# KiCad board panel.kicad_pcb
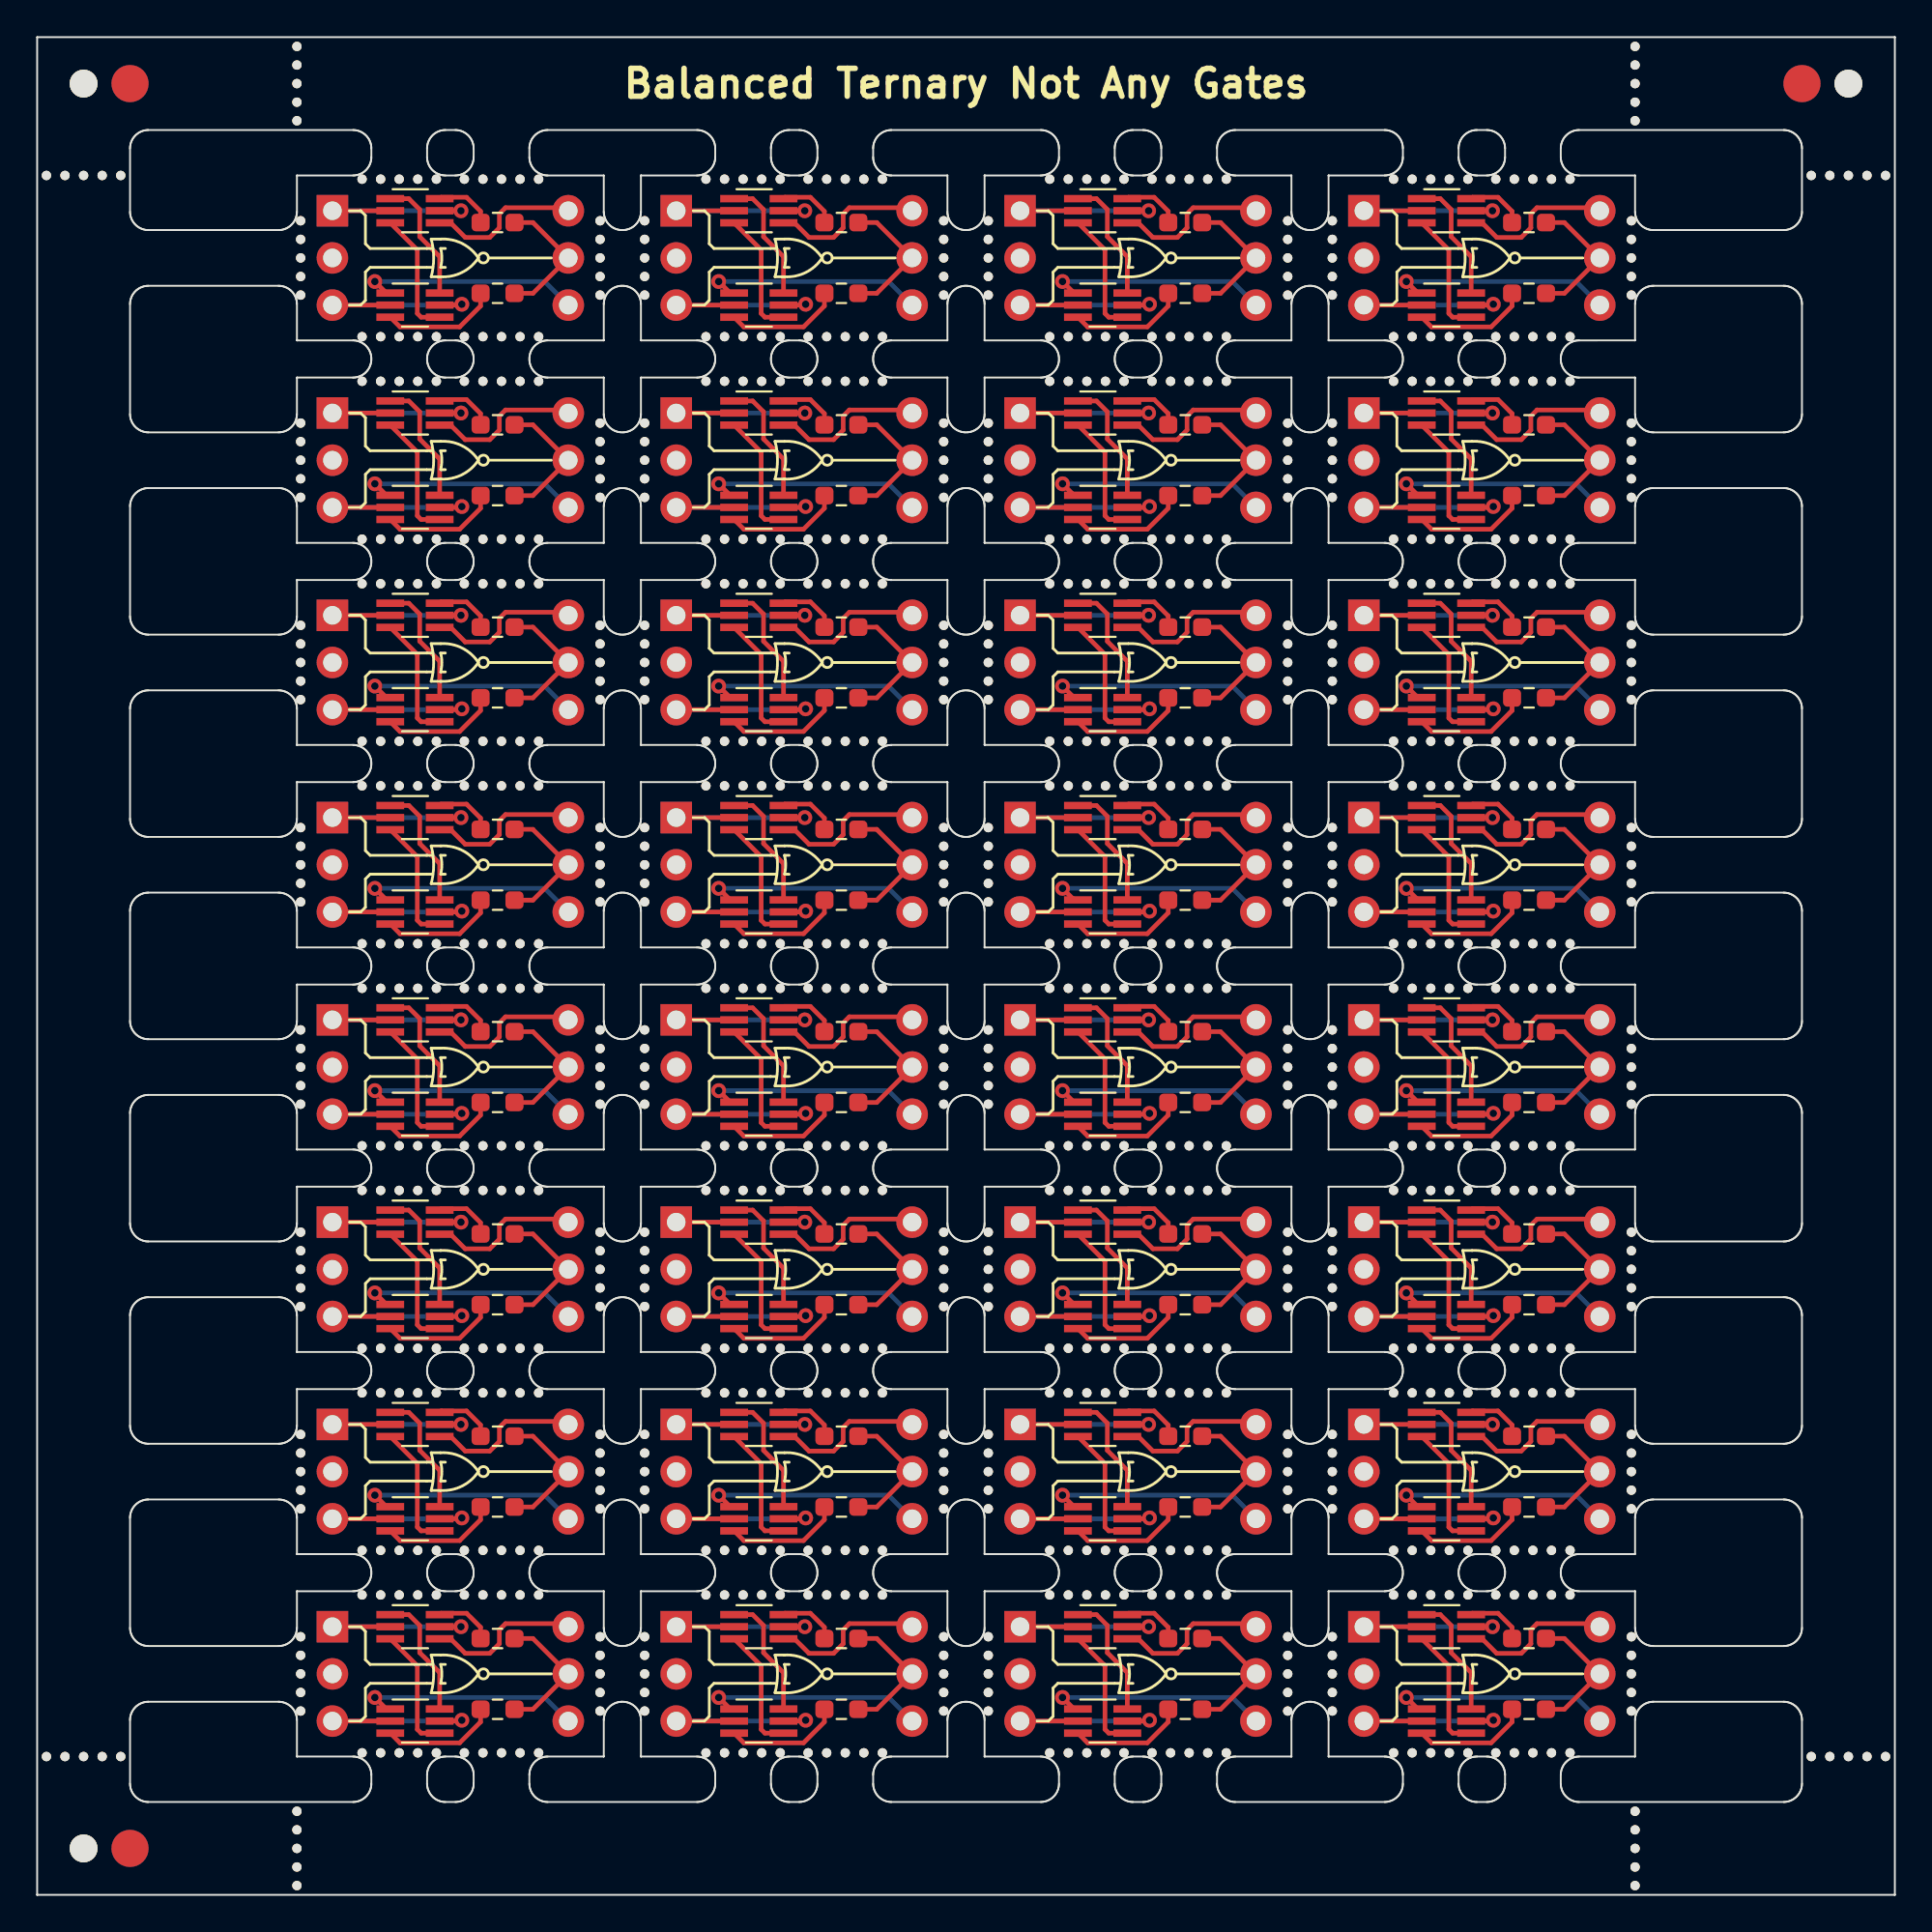
[diagram p0: board, top side]
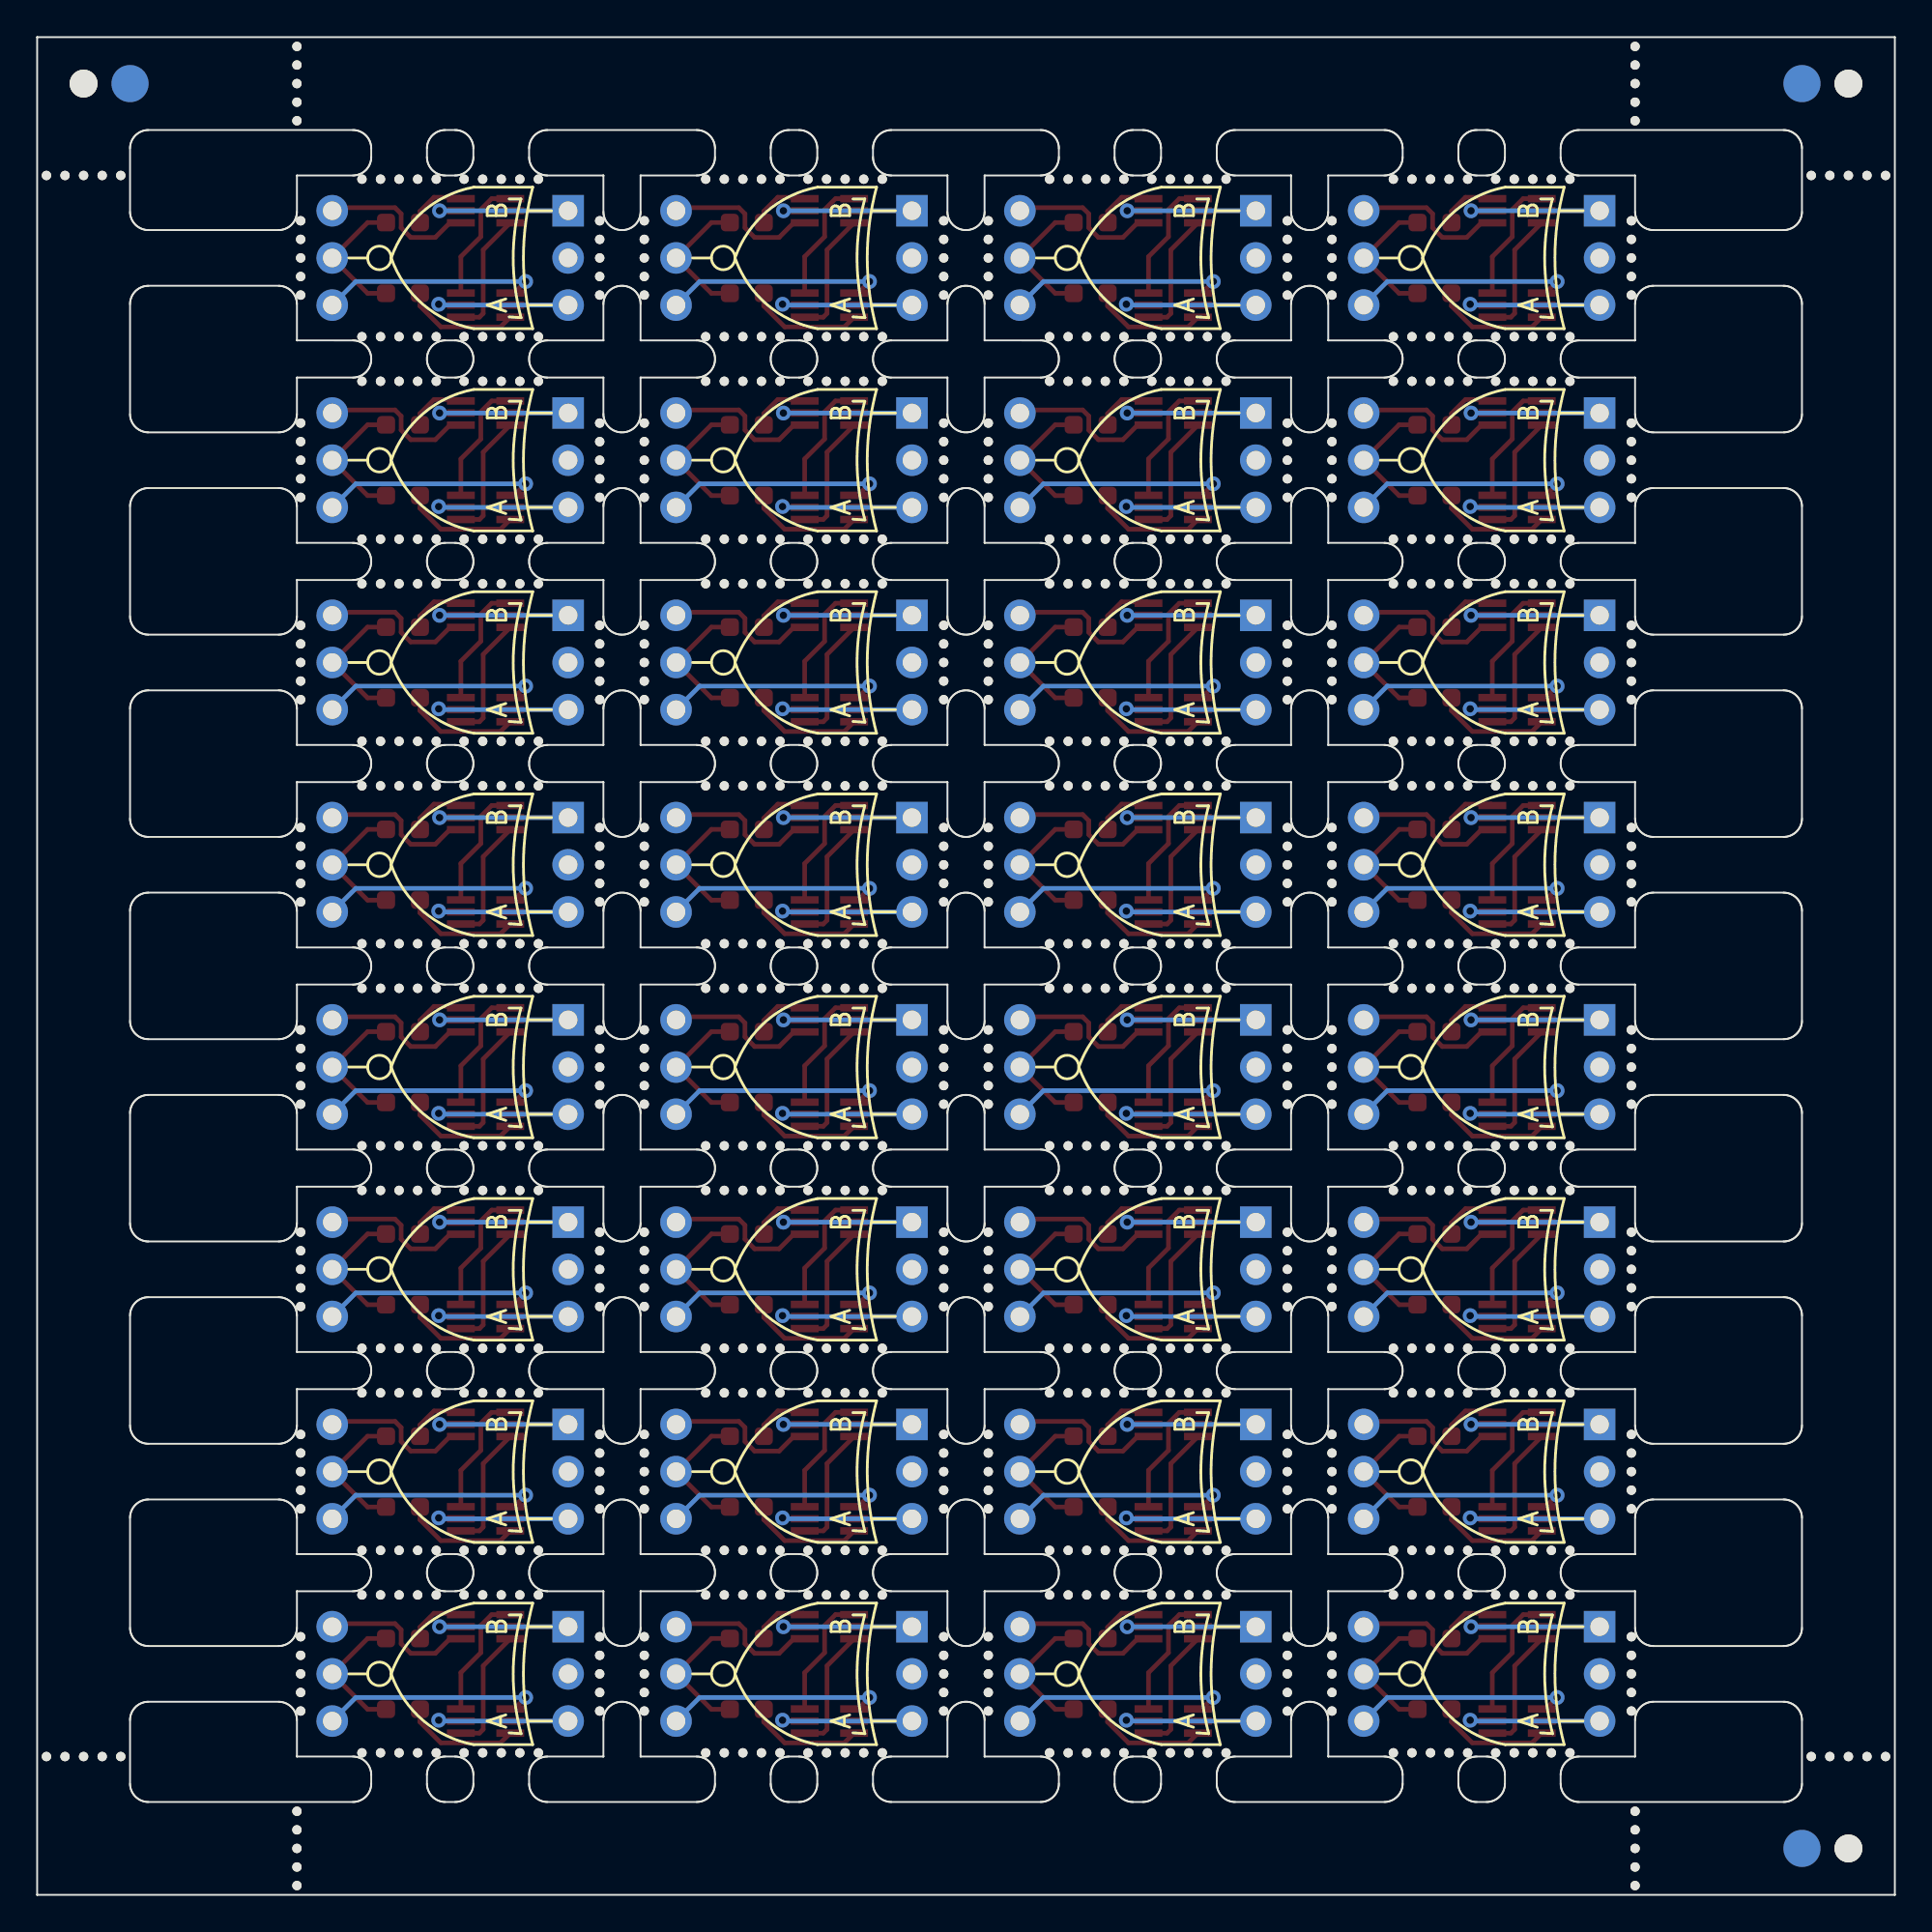
[diagram p1: board, bottom side, seen from below]

Outline 100.01 x 100.01 mm; copper layers: Top, Bottom. Coordinates in mm from the lower left corner of the outline.

## Placement (name value [footprint] x y rotation side)
J1  Conn_01x03  [PinHeader_1x03_P2.54mm_Vertical_NoSilkscreen#2]  15.89 90.67 0 top
J1#2  Conn_01x03  [PinHeader_1x03_P2.54mm_Vertical_NoSilkscreen#2]  15.89 58 0 top
J1#3  Conn_01x03  [PinHeader_1x03_P2.54mm_Vertical_NoSilkscreen#2]  15.89 79.78 0 top
J1#4  Conn_01x03  [PinHeader_1x03_P2.54mm_Vertical_NoSilkscreen#2]  71.42 79.78 0 top
J1#5  Conn_01x03  [PinHeader_1x03_P2.54mm_Vertical_NoSilkscreen#2]  71.42 58 0 top
J1#6  Conn_01x03  [PinHeader_1x03_P2.54mm_Vertical_NoSilkscreen#2]  15.89 14.44 0 top
J1#7  Conn_01x03  [PinHeader_1x03_P2.54mm_Vertical_NoSilkscreen#2]  71.42 14.44 0 top
J1#8  Conn_01x03  [PinHeader_1x03_P2.54mm_Vertical_NoSilkscreen#2]  34.41 58 0 top
J1#9  Conn_01x03  [PinHeader_1x03_P2.54mm_Vertical_NoSilkscreen#2]  15.89 68.89 0 top
J1#10  Conn_01x03  [PinHeader_1x03_P2.54mm_Vertical_NoSilkscreen#2]  52.92 25.33 0 top
J1#11  Conn_01x03  [PinHeader_1x03_P2.54mm_Vertical_NoSilkscreen#2]  34.41 25.33 0 top
J1#12  Conn_01x03  [PinHeader_1x03_P2.54mm_Vertical_NoSilkscreen#2]  34.41 47.11 0 top
J1#13  Conn_01x03  [PinHeader_1x03_P2.54mm_Vertical_NoSilkscreen#2]  34.41 36.22 0 top
J1#14  Conn_01x03  [PinHeader_1x03_P2.54mm_Vertical_NoSilkscreen#2]  52.92 47.11 0 top
J1#15  Conn_01x03  [PinHeader_1x03_P2.54mm_Vertical_NoSilkscreen#2]  52.92 14.44 0 top
J1#16  Conn_01x03  [PinHeader_1x03_P2.54mm_Vertical_NoSilkscreen#2]  34.41 14.44 0 top
J1#17  Conn_01x03  [PinHeader_1x03_P2.54mm_Vertical_NoSilkscreen#2]  71.42 36.22 0 top
J1#18  Conn_01x03  [PinHeader_1x03_P2.54mm_Vertical_NoSilkscreen#2]  52.92 90.67 0 top
J1#19  Conn_01x03  [PinHeader_1x03_P2.54mm_Vertical_NoSilkscreen#2]  15.89 47.11 0 top
J1#20  Conn_01x03  [PinHeader_1x03_P2.54mm_Vertical_NoSilkscreen#2]  15.89 25.33 0 top
J1#21  Conn_01x03  [PinHeader_1x03_P2.54mm_Vertical_NoSilkscreen#2]  52.92 68.89 0 top
J1#22  Conn_01x03  [PinHeader_1x03_P2.54mm_Vertical_NoSilkscreen#2]  52.92 36.22 0 top
J1#23  Conn_01x03  [PinHeader_1x03_P2.54mm_Vertical_NoSilkscreen#2]  52.92 79.78 0 top
J1#24  Conn_01x03  [PinHeader_1x03_P2.54mm_Vertical_NoSilkscreen#2]  71.42 68.89 0 top
J1#25  Conn_01x03  [PinHeader_1x03_P2.54mm_Vertical_NoSilkscreen#2]  52.92 58 0 top
J1#26  Conn_01x03  [PinHeader_1x03_P2.54mm_Vertical_NoSilkscreen#2]  34.41 90.67 0 top
J1#27  Conn_01x03  [PinHeader_1x03_P2.54mm_Vertical_NoSilkscreen#2]  34.41 79.78 0 top
J1#28  Conn_01x03  [PinHeader_1x03_P2.54mm_Vertical_NoSilkscreen#2]  71.42 47.11 0 top
J1#29  Conn_01x03  [PinHeader_1x03_P2.54mm_Vertical_NoSilkscreen#2]  34.41 68.89 0 top
J1#30  Conn_01x03  [PinHeader_1x03_P2.54mm_Vertical_NoSilkscreen#2]  71.42 25.33 0 top
J1#31  Conn_01x03  [PinHeader_1x03_P2.54mm_Vertical_NoSilkscreen#2]  15.89 36.22 0 top
J1#32  Conn_01x03  [PinHeader_1x03_P2.54mm_Vertical_NoSilkscreen#2]  71.42 90.67 0 top
J2  Conn_01x03  [PinHeader_1x03_P2.54mm_Vertical_NoSilkscreen]  84.12 36.22 0 top
J2#2  Conn_01x03  [PinHeader_1x03_P2.54mm_Vertical_NoSilkscreen]  47.1 90.67 0 top
J2#3  Conn_01x03  [PinHeader_1x03_P2.54mm_Vertical_NoSilkscreen]  47.1 25.33 0 top
J2#4  Conn_01x03  [PinHeader_1x03_P2.54mm_Vertical_NoSilkscreen]  65.61 90.67 0 top
J2#5  Conn_01x03  [PinHeader_1x03_P2.54mm_Vertical_NoSilkscreen]  84.12 14.44 0 top
J2#6  Conn_01x03  [PinHeader_1x03_P2.54mm_Vertical_NoSilkscreen]  28.59 68.89 0 top
J2#7  Conn_01x03  [PinHeader_1x03_P2.54mm_Vertical_NoSilkscreen]  65.61 58 0 top
J2#8  Conn_01x03  [PinHeader_1x03_P2.54mm_Vertical_NoSilkscreen]  84.12 79.78 0 top
J2#9  Conn_01x03  [PinHeader_1x03_P2.54mm_Vertical_NoSilkscreen]  84.12 58 0 top
J2#10  Conn_01x03  [PinHeader_1x03_P2.54mm_Vertical_NoSilkscreen]  47.1 14.44 0 top
J2#11  Conn_01x03  [PinHeader_1x03_P2.54mm_Vertical_NoSilkscreen]  47.1 79.78 0 top
J2#12  Conn_01x03  [PinHeader_1x03_P2.54mm_Vertical_NoSilkscreen]  47.1 58 0 top
J2#13  Conn_01x03  [PinHeader_1x03_P2.54mm_Vertical_NoSilkscreen]  28.59 36.22 0 top
J2#14  Conn_01x03  [PinHeader_1x03_P2.54mm_Vertical_NoSilkscreen]  65.61 36.22 0 top
J2#15  Conn_01x03  [PinHeader_1x03_P2.54mm_Vertical_NoSilkscreen]  65.61 68.89 0 top
J2#16  Conn_01x03  [PinHeader_1x03_P2.54mm_Vertical_NoSilkscreen]  65.61 14.44 0 top
J2#17  Conn_01x03  [PinHeader_1x03_P2.54mm_Vertical_NoSilkscreen]  65.61 79.78 0 top
J2#18  Conn_01x03  [PinHeader_1x03_P2.54mm_Vertical_NoSilkscreen]  84.12 25.33 0 top
J2#19  Conn_01x03  [PinHeader_1x03_P2.54mm_Vertical_NoSilkscreen]  28.59 14.44 0 top
J2#20  Conn_01x03  [PinHeader_1x03_P2.54mm_Vertical_NoSilkscreen]  28.59 79.78 0 top
J2#21  Conn_01x03  [PinHeader_1x03_P2.54mm_Vertical_NoSilkscreen]  84.12 90.67 0 top
J2#22  Conn_01x03  [PinHeader_1x03_P2.54mm_Vertical_NoSilkscreen]  28.59 58 0 top
J2#23  Conn_01x03  [PinHeader_1x03_P2.54mm_Vertical_NoSilkscreen]  47.1 36.22 0 top
J2#24  Conn_01x03  [PinHeader_1x03_P2.54mm_Vertical_NoSilkscreen]  65.61 25.33 0 top
J2#25  Conn_01x03  [PinHeader_1x03_P2.54mm_Vertical_NoSilkscreen]  28.59 90.67 0 top
J2#26  Conn_01x03  [PinHeader_1x03_P2.54mm_Vertical_NoSilkscreen]  84.12 68.89 0 top
J2#27  Conn_01x03  [PinHeader_1x03_P2.54mm_Vertical_NoSilkscreen]  47.1 68.89 0 top
J2#28  Conn_01x03  [PinHeader_1x03_P2.54mm_Vertical_NoSilkscreen]  47.1 47.11 0 top
J2#29  Conn_01x03  [PinHeader_1x03_P2.54mm_Vertical_NoSilkscreen]  28.59 25.33 0 top
J2#30  Conn_01x03  [PinHeader_1x03_P2.54mm_Vertical_NoSilkscreen]  65.61 47.11 0 top
J2#31  Conn_01x03  [PinHeader_1x03_P2.54mm_Vertical_NoSilkscreen]  84.12 47.11 0 top
J2#32  Conn_01x03  [PinHeader_1x03_P2.54mm_Vertical_NoSilkscreen]  28.59 47.11 0 top
Q1  BSS8402DW-7-F  [SOT-363_SC-70-6_Handsoldering]  38.85 47.11 0 top
Q1#2  BSS8402DW-7-F  [SOT-363_SC-70-6_Handsoldering]  38.85 58 0 top
Q1#3  BSS8402DW-7-F  [SOT-363_SC-70-6_Handsoldering]  75.87 90.67 0 top
Q1#4  BSS8402DW-7-F  [SOT-363_SC-70-6_Handsoldering]  20.34 14.44 0 top
Q1#5  BSS8402DW-7-F  [SOT-363_SC-70-6_Handsoldering]  38.85 79.78 0 top
Q1#6  BSS8402DW-7-F  [SOT-363_SC-70-6_Handsoldering]  57.36 79.78 0 top
Q1#7  BSS8402DW-7-F  [SOT-363_SC-70-6_Handsoldering]  57.36 90.67 0 top
Q1#8  BSS8402DW-7-F  [SOT-363_SC-70-6_Handsoldering]  75.87 47.11 0 top
Q1#9  BSS8402DW-7-F  [SOT-363_SC-70-6_Handsoldering]  57.36 47.11 0 top
Q1#10  BSS8402DW-7-F  [SOT-363_SC-70-6_Handsoldering]  20.34 58 0 top
Q1#11  BSS8402DW-7-F  [SOT-363_SC-70-6_Handsoldering]  75.87 14.44 0 top
Q1#12  BSS8402DW-7-F  [SOT-363_SC-70-6_Handsoldering]  57.36 14.44 0 top
Q1#13  BSS8402DW-7-F  [SOT-363_SC-70-6_Handsoldering]  20.34 36.22 0 top
Q1#14  BSS8402DW-7-F  [SOT-363_SC-70-6_Handsoldering]  38.85 25.33 0 top
Q1#15  BSS8402DW-7-F  [SOT-363_SC-70-6_Handsoldering]  20.34 25.33 0 top
Q1#16  BSS8402DW-7-F  [SOT-363_SC-70-6_Handsoldering]  20.34 47.11 0 top
Q1#17  BSS8402DW-7-F  [SOT-363_SC-70-6_Handsoldering]  38.85 90.67 0 top
Q1#18  BSS8402DW-7-F  [SOT-363_SC-70-6_Handsoldering]  75.87 25.33 0 top
Q1#19  BSS8402DW-7-F  [SOT-363_SC-70-6_Handsoldering]  38.85 68.89 0 top
Q1#20  BSS8402DW-7-F  [SOT-363_SC-70-6_Handsoldering]  20.34 79.78 0 top
Q1#21  BSS8402DW-7-F  [SOT-363_SC-70-6_Handsoldering]  75.87 68.89 0 top
Q1#22  BSS8402DW-7-F  [SOT-363_SC-70-6_Handsoldering]  20.34 90.67 0 top
Q1#23  BSS8402DW-7-F  [SOT-363_SC-70-6_Handsoldering]  75.87 58 0 top
Q1#24  BSS8402DW-7-F  [SOT-363_SC-70-6_Handsoldering]  57.36 36.22 0 top
Q1#25  BSS8402DW-7-F  [SOT-363_SC-70-6_Handsoldering]  57.36 68.89 0 top
Q1#26  BSS8402DW-7-F  [SOT-363_SC-70-6_Handsoldering]  38.85 14.44 0 top
Q1#27  BSS8402DW-7-F  [SOT-363_SC-70-6_Handsoldering]  75.87 79.78 0 top
Q1#28  BSS8402DW-7-F  [SOT-363_SC-70-6_Handsoldering]  38.85 36.22 0 top
Q1#29  BSS8402DW-7-F  [SOT-363_SC-70-6_Handsoldering]  20.34 68.89 0 top
Q1#30  BSS8402DW-7-F  [SOT-363_SC-70-6_Handsoldering]  57.36 58 0 top
Q1#31  BSS8402DW-7-F  [SOT-363_SC-70-6_Handsoldering]  75.87 36.22 0 top
Q1#32  BSS8402DW-7-F  [SOT-363_SC-70-6_Handsoldering]  57.36 25.33 0 top
Q2  BSS8402DW-7-F  [SOT-363_SC-70-6_Handsoldering]  20.34 63.81 0 top
Q2#2  BSS8402DW-7-F  [SOT-363_SC-70-6_Handsoldering]  75.87 74.7 0 top
Q2#3  BSS8402DW-7-F  [SOT-363_SC-70-6_Handsoldering]  57.36 74.7 0 top
Q2#4  BSS8402DW-7-F  [SOT-363_SC-70-6_Handsoldering]  57.36 31.14 0 top
Q2#5  BSS8402DW-7-F  [SOT-363_SC-70-6_Handsoldering]  38.85 20.25 0 top
Q2#6  BSS8402DW-7-F  [SOT-363_SC-70-6_Handsoldering]  20.34 52.92 0 top
Q2#7  BSS8402DW-7-F  [SOT-363_SC-70-6_Handsoldering]  38.85 85.59 0 top
Q2#8  BSS8402DW-7-F  [SOT-363_SC-70-6_Handsoldering]  38.85 52.92 0 top
Q2#9  BSS8402DW-7-F  [SOT-363_SC-70-6_Handsoldering]  38.85 42.03 0 top
Q2#10  BSS8402DW-7-F  [SOT-363_SC-70-6_Handsoldering]  75.87 63.81 0 top
Q2#11  BSS8402DW-7-F  [SOT-363_SC-70-6_Handsoldering]  75.87 31.14 0 top
Q2#12  BSS8402DW-7-F  [SOT-363_SC-70-6_Handsoldering]  38.85 74.7 0 top
Q2#13  BSS8402DW-7-F  [SOT-363_SC-70-6_Handsoldering]  75.87 42.03 0 top
Q2#14  BSS8402DW-7-F  [SOT-363_SC-70-6_Handsoldering]  20.34 20.25 0 top
Q2#15  BSS8402DW-7-F  [SOT-363_SC-70-6_Handsoldering]  75.87 52.92 0 top
Q2#16  BSS8402DW-7-F  [SOT-363_SC-70-6_Handsoldering]  20.34 9.36 0 top
Q2#17  BSS8402DW-7-F  [SOT-363_SC-70-6_Handsoldering]  20.34 85.59 0 top
Q2#18  BSS8402DW-7-F  [SOT-363_SC-70-6_Handsoldering]  57.36 42.03 0 top
Q2#19  BSS8402DW-7-F  [SOT-363_SC-70-6_Handsoldering]  20.34 31.14 0 top
Q2#20  BSS8402DW-7-F  [SOT-363_SC-70-6_Handsoldering]  57.36 63.81 0 top
Q2#21  BSS8402DW-7-F  [SOT-363_SC-70-6_Handsoldering]  57.36 85.59 0 top
Q2#22  BSS8402DW-7-F  [SOT-363_SC-70-6_Handsoldering]  38.85 63.81 0 top
Q2#23  BSS8402DW-7-F  [SOT-363_SC-70-6_Handsoldering]  57.36 9.36 0 top
Q2#24  BSS8402DW-7-F  [SOT-363_SC-70-6_Handsoldering]  20.34 42.03 0 top
Q2#25  BSS8402DW-7-F  [SOT-363_SC-70-6_Handsoldering]  75.87 85.59 0 top
Q2#26  BSS8402DW-7-F  [SOT-363_SC-70-6_Handsoldering]  38.85 31.14 0 top
Q2#27  BSS8402DW-7-F  [SOT-363_SC-70-6_Handsoldering]  57.36 20.25 0 top
Q2#28  BSS8402DW-7-F  [SOT-363_SC-70-6_Handsoldering]  38.85 9.36 0 top
Q2#29  BSS8402DW-7-F  [SOT-363_SC-70-6_Handsoldering]  20.34 74.7 0 top
Q2#30  BSS8402DW-7-F  [SOT-363_SC-70-6_Handsoldering]  75.87 20.25 0 top
Q2#31  BSS8402DW-7-F  [SOT-363_SC-70-6_Handsoldering]  75.87 9.36 0 top
Q2#32  BSS8402DW-7-F  [SOT-363_SC-70-6_Handsoldering]  57.36 52.92 0 top
R1  12k  [R_0603_1608Metric_Pad0.98x0.95mm_HandSolder]  24.78 9.99 0 top
R1#2  12k  [R_0603_1608Metric_Pad0.98x0.95mm_HandSolder]  61.81 20.88 0 top
R1#3  12k  [R_0603_1608Metric_Pad0.98x0.95mm_HandSolder]  24.78 31.77 0 top
R1#4  12k  [R_0603_1608Metric_Pad0.98x0.95mm_HandSolder]  43.3 53.55 0 top
R1#5  12k  [R_0603_1608Metric_Pad0.98x0.95mm_HandSolder]  24.78 64.44 0 top
R1#6  12k  [R_0603_1608Metric_Pad0.98x0.95mm_HandSolder]  61.81 75.33 0 top
R1#7  12k  [R_0603_1608Metric_Pad0.98x0.95mm_HandSolder]  80.31 31.77 0 top
R1#8  12k  [R_0603_1608Metric_Pad0.98x0.95mm_HandSolder]  61.81 86.22 0 top
R1#9  12k  [R_0603_1608Metric_Pad0.98x0.95mm_HandSolder]  80.31 64.44 0 top
R1#10  12k  [R_0603_1608Metric_Pad0.98x0.95mm_HandSolder]  43.3 20.88 0 top
R1#11  12k  [R_0603_1608Metric_Pad0.98x0.95mm_HandSolder]  61.81 31.77 0 top
R1#12  12k  [R_0603_1608Metric_Pad0.98x0.95mm_HandSolder]  80.31 9.99 0 top
R1#13  12k  [R_0603_1608Metric_Pad0.98x0.95mm_HandSolder]  43.3 75.33 0 top
R1#14  12k  [R_0603_1608Metric_Pad0.98x0.95mm_HandSolder]  24.78 86.22 0 top
R1#15  12k  [R_0603_1608Metric_Pad0.98x0.95mm_HandSolder]  43.3 9.99 0 top
R1#16  12k  [R_0603_1608Metric_Pad0.98x0.95mm_HandSolder]  24.78 75.33 0 top
R1#17  12k  [R_0603_1608Metric_Pad0.98x0.95mm_HandSolder]  80.31 20.88 0 top
R1#18  12k  [R_0603_1608Metric_Pad0.98x0.95mm_HandSolder]  61.81 9.99 0 top
R1#19  12k  [R_0603_1608Metric_Pad0.98x0.95mm_HandSolder]  61.81 64.44 0 top
R1#20  12k  [R_0603_1608Metric_Pad0.98x0.95mm_HandSolder]  43.3 64.44 0 top
R1#21  12k  [R_0603_1608Metric_Pad0.98x0.95mm_HandSolder]  43.3 42.66 0 top
R1#22  12k  [R_0603_1608Metric_Pad0.98x0.95mm_HandSolder]  61.81 53.55 0 top
R1#23  12k  [R_0603_1608Metric_Pad0.98x0.95mm_HandSolder]  80.31 53.55 0 top
R1#24  12k  [R_0603_1608Metric_Pad0.98x0.95mm_HandSolder]  43.3 86.22 0 top
R1#25  12k  [R_0603_1608Metric_Pad0.98x0.95mm_HandSolder]  43.3 31.77 0 top
R1#26  12k  [R_0603_1608Metric_Pad0.98x0.95mm_HandSolder]  80.31 75.33 0 top
R1#27  12k  [R_0603_1608Metric_Pad0.98x0.95mm_HandSolder]  24.78 20.88 0 top
R1#28  12k  [R_0603_1608Metric_Pad0.98x0.95mm_HandSolder]  24.78 42.66 0 top
R1#29  12k  [R_0603_1608Metric_Pad0.98x0.95mm_HandSolder]  80.31 42.66 0 top
R1#30  12k  [R_0603_1608Metric_Pad0.98x0.95mm_HandSolder]  24.78 53.55 0 top
R1#31  12k  [R_0603_1608Metric_Pad0.98x0.95mm_HandSolder]  61.81 42.66 0 top
R1#32  12k  [R_0603_1608Metric_Pad0.98x0.95mm_HandSolder]  80.31 86.22 0 top
R2  12k  [R_0603_1608Metric_Pad0.98x0.95mm_HandSolder]  80.31 68.25 180 top
R2#2  12k  [R_0603_1608Metric_Pad0.98x0.95mm_HandSolder]  61.81 35.58 180 top
R2#3  12k  [R_0603_1608Metric_Pad0.98x0.95mm_HandSolder]  61.81 79.14 180 top
R2#4  12k  [R_0603_1608Metric_Pad0.98x0.95mm_HandSolder]  24.78 24.69 180 top
R2#5  12k  [R_0603_1608Metric_Pad0.98x0.95mm_HandSolder]  43.3 90.03 180 top
R2#6  12k  [R_0603_1608Metric_Pad0.98x0.95mm_HandSolder]  80.31 24.69 180 top
R2#7  12k  [R_0603_1608Metric_Pad0.98x0.95mm_HandSolder]  61.81 68.25 180 top
R2#8  12k  [R_0603_1608Metric_Pad0.98x0.95mm_HandSolder]  61.81 57.36 180 top
R2#9  12k  [R_0603_1608Metric_Pad0.98x0.95mm_HandSolder]  80.31 46.47 180 top
R2#10  12k  [R_0603_1608Metric_Pad0.98x0.95mm_HandSolder]  24.78 46.47 180 top
R2#11  12k  [R_0603_1608Metric_Pad0.98x0.95mm_HandSolder]  24.78 35.58 180 top
R2#12  12k  [R_0603_1608Metric_Pad0.98x0.95mm_HandSolder]  61.81 46.47 180 top
R2#13  12k  [R_0603_1608Metric_Pad0.98x0.95mm_HandSolder]  43.3 79.14 180 top
R2#14  12k  [R_0603_1608Metric_Pad0.98x0.95mm_HandSolder]  24.78 68.25 180 top
R2#15  12k  [R_0603_1608Metric_Pad0.98x0.95mm_HandSolder]  43.3 13.8 180 top
R2#16  12k  [R_0603_1608Metric_Pad0.98x0.95mm_HandSolder]  43.3 24.69 180 top
R2#17  12k  [R_0603_1608Metric_Pad0.98x0.95mm_HandSolder]  24.78 57.36 180 top
R2#18  12k  [R_0603_1608Metric_Pad0.98x0.95mm_HandSolder]  61.81 13.8 180 top
R2#19  12k  [R_0603_1608Metric_Pad0.98x0.95mm_HandSolder]  61.81 24.69 180 top
R2#20  12k  [R_0603_1608Metric_Pad0.98x0.95mm_HandSolder]  43.3 68.25 180 top
R2#21  12k  [R_0603_1608Metric_Pad0.98x0.95mm_HandSolder]  80.31 57.36 180 top
R2#22  12k  [R_0603_1608Metric_Pad0.98x0.95mm_HandSolder]  24.78 90.03 180 top
R2#23  12k  [R_0603_1608Metric_Pad0.98x0.95mm_HandSolder]  80.31 13.8 180 top
R2#24  12k  [R_0603_1608Metric_Pad0.98x0.95mm_HandSolder]  80.31 90.03 180 top
R2#25  12k  [R_0603_1608Metric_Pad0.98x0.95mm_HandSolder]  24.78 79.14 180 top
R2#26  12k  [R_0603_1608Metric_Pad0.98x0.95mm_HandSolder]  24.78 13.8 180 top
R2#27  12k  [R_0603_1608Metric_Pad0.98x0.95mm_HandSolder]  43.3 57.36 180 top
R2#28  12k  [R_0603_1608Metric_Pad0.98x0.95mm_HandSolder]  61.81 90.03 180 top
R2#29  12k  [R_0603_1608Metric_Pad0.98x0.95mm_HandSolder]  43.3 35.58 180 top
R2#30  12k  [R_0603_1608Metric_Pad0.98x0.95mm_HandSolder]  43.3 46.47 180 top
R2#31  12k  [R_0603_1608Metric_Pad0.98x0.95mm_HandSolder]  80.31 35.58 180 top
R2#32  12k  [R_0603_1608Metric_Pad0.98x0.95mm_HandSolder]  80.31 79.14 180 top
REF**  -  [NPTH]  98.51 7.45 0 top
REF**#2  -  [NPTH]  76.03 59.71 0 top
REF**#3  -  [NPTH]  13.98 1.5 0 top
REF**#4  -  [NPTH]  79.53 7.65 0 top
REF**#5  -  [NPTH]  79.53 27.03 0 top
REF**#6  -  [NPTH]  73.03 62.11 0 top
REF**#7  -  [NPTH]  45.51 59.71 0 top
REF**#8  -  [NPTH]  51.2 86.13 0 top
REF**#9  -  [NPTH]  82.53 62.11 0 top
REF**#10  -  [NPTH]  64.02 51.21 0 top
REF**#11  -  [NPTH]  32.7 45.57 0 top
REF**#12  -  [NPTH]  17.49 48.81 0 top
REF**#13  -  [NPTH]  45.51 81.49 0 top
REF**#14  -  [NPTH]  67.33 86.13 0 top
REF**#15  -  [NPTH]  17.49 37.93 0 top
REF**#16  -  [NPTH]  85.83 87.13 0 top
REF**#17  -  [NPTH]  56.51 72.99 0 top
REF**#18  -  [NPTH]  67.33 88.13 0 top
REF**#19  -  [NPTH]  38.01 72.99 0 top
REF**#20  -  [NPTH]  24 81.49 0 top
REF**#21  -  [NPTH]  43.51 59.71 0 top
REF**#22  -  [NPTH]  69.72 56.46 0 top
REF**#23  -  [NPTH]  62.02 18.55 0 top
REF**#24  -  [NPTH]  36.01 7.65 0 top
REF**#25  -  [NPTH]  26 72.99 0 top
REF**#26  -  [NPTH]  37.01 37.93 0 top
REF**#27  -  [NPTH]  86.03 2.5 0 top
REF**#28  -  [NPTH]  64.02 16.15 0 top
REF**#29  -  [NPTH]  62.02 7.65 0 top
REF**#30  -  [NPTH]  57.51 51.21 0 top
REF**#31  -  [NPTH]  75.03 48.81 0 top
REF**#32  -  [NPTH]  74.03 51.21 0 top
REF**#33  -  [NPTH]  85.83 46.57 0 top
REF**#34  -  [NPTH]  77.03 18.55 0 top
REF**#35  -  [NPTH]  32.7 9.9 0 top
REF**#36  -  [NPTH]  63.02 83.89 0 top
REF**#37  -  [NPTH]  32.7 88.13 0 top
REF**#38  -  [NPTH]  51.2 89.13 0 top
REF**#39  -  [NPTH]  42.51 70.59 0 top
REF**#40  -  [NPTH]  55.51 62.11 0 top
REF**#41  -  [NPTH]  63.02 7.65 0 top
REF**#42  -  [NPTH]  78.53 27.03 0 top
REF**#43  -  [NPTH]  43.51 70.59 0 top
REF**#44  -  [NPTH]  76.03 51.21 0 top
REF**#45  -  [NPTH]  74.03 29.43 0 top
REF**#46  -  [NPTH]  73.03 27.03 0 top
REF**#47  -  [NPTH]  73.03 29.43 0 top
REF**#48  -  [NPTH]  67.33 11.9 0 top
REF**#49  -  [NPTH]  30.3 53.46 0 top
REF**#50  -  [NPTH]  39.01 7.65 0 top
REF**#51  -  [NPTH]  77.03 51.21 0 top
REF**#52  -  [NPTH]  58.51 92.37 0 top
REF**#53  -  [NPTH]  85.83 89.13 0 top
REF**#54  -  [NPTH]  67.33 53.46 0 top
REF**#55  -  [NPTH]  24 92.37 0 top
REF**#56  -  [NPTH]  85.83 33.68 0 top
REF**#57  -  [NPTH]  61.02 92.37 0 top
REF**#58  -  [NPTH]  14.18 90.13 0 top
REF**#59  -  [NPTH]  51.2 20.79 0 top
REF**#60  -  [NPTH]  43.51 92.37 0 top
REF**#61  -  [NPTH]  42.51 48.81 0 top
REF**#62  -  [NPTH]  43.51 27.03 0 top
REF**#63  -  [NPTH]  39.01 83.89 0 top
REF**#64  -  [NPTH]  82.53 37.93 0 top
REF**#65  -  [NPTH]  85.83 24.79 0 top
REF**#66  -  [NPTH]  18.49 40.33 0 top
REF**#67  -  [NPTH]  85.83 54.46 0 top
REF**#68  -  [NPTH]  63.02 16.15 0 top
REF**#69  -  [NPTH]  80.53 7.65 0 top
REF**#70  -  [NPTH]  58.51 70.59 0 top
REF**#71  -  [NPTH]  48.8 87.13 0 top
REF**#72  -  [NPTH]  41.51 7.65 0 top
REF**#73  -  [NPTH]  73.03 70.59 0 top